# KiCad board panel_4_3.kicad_pcb (continued)
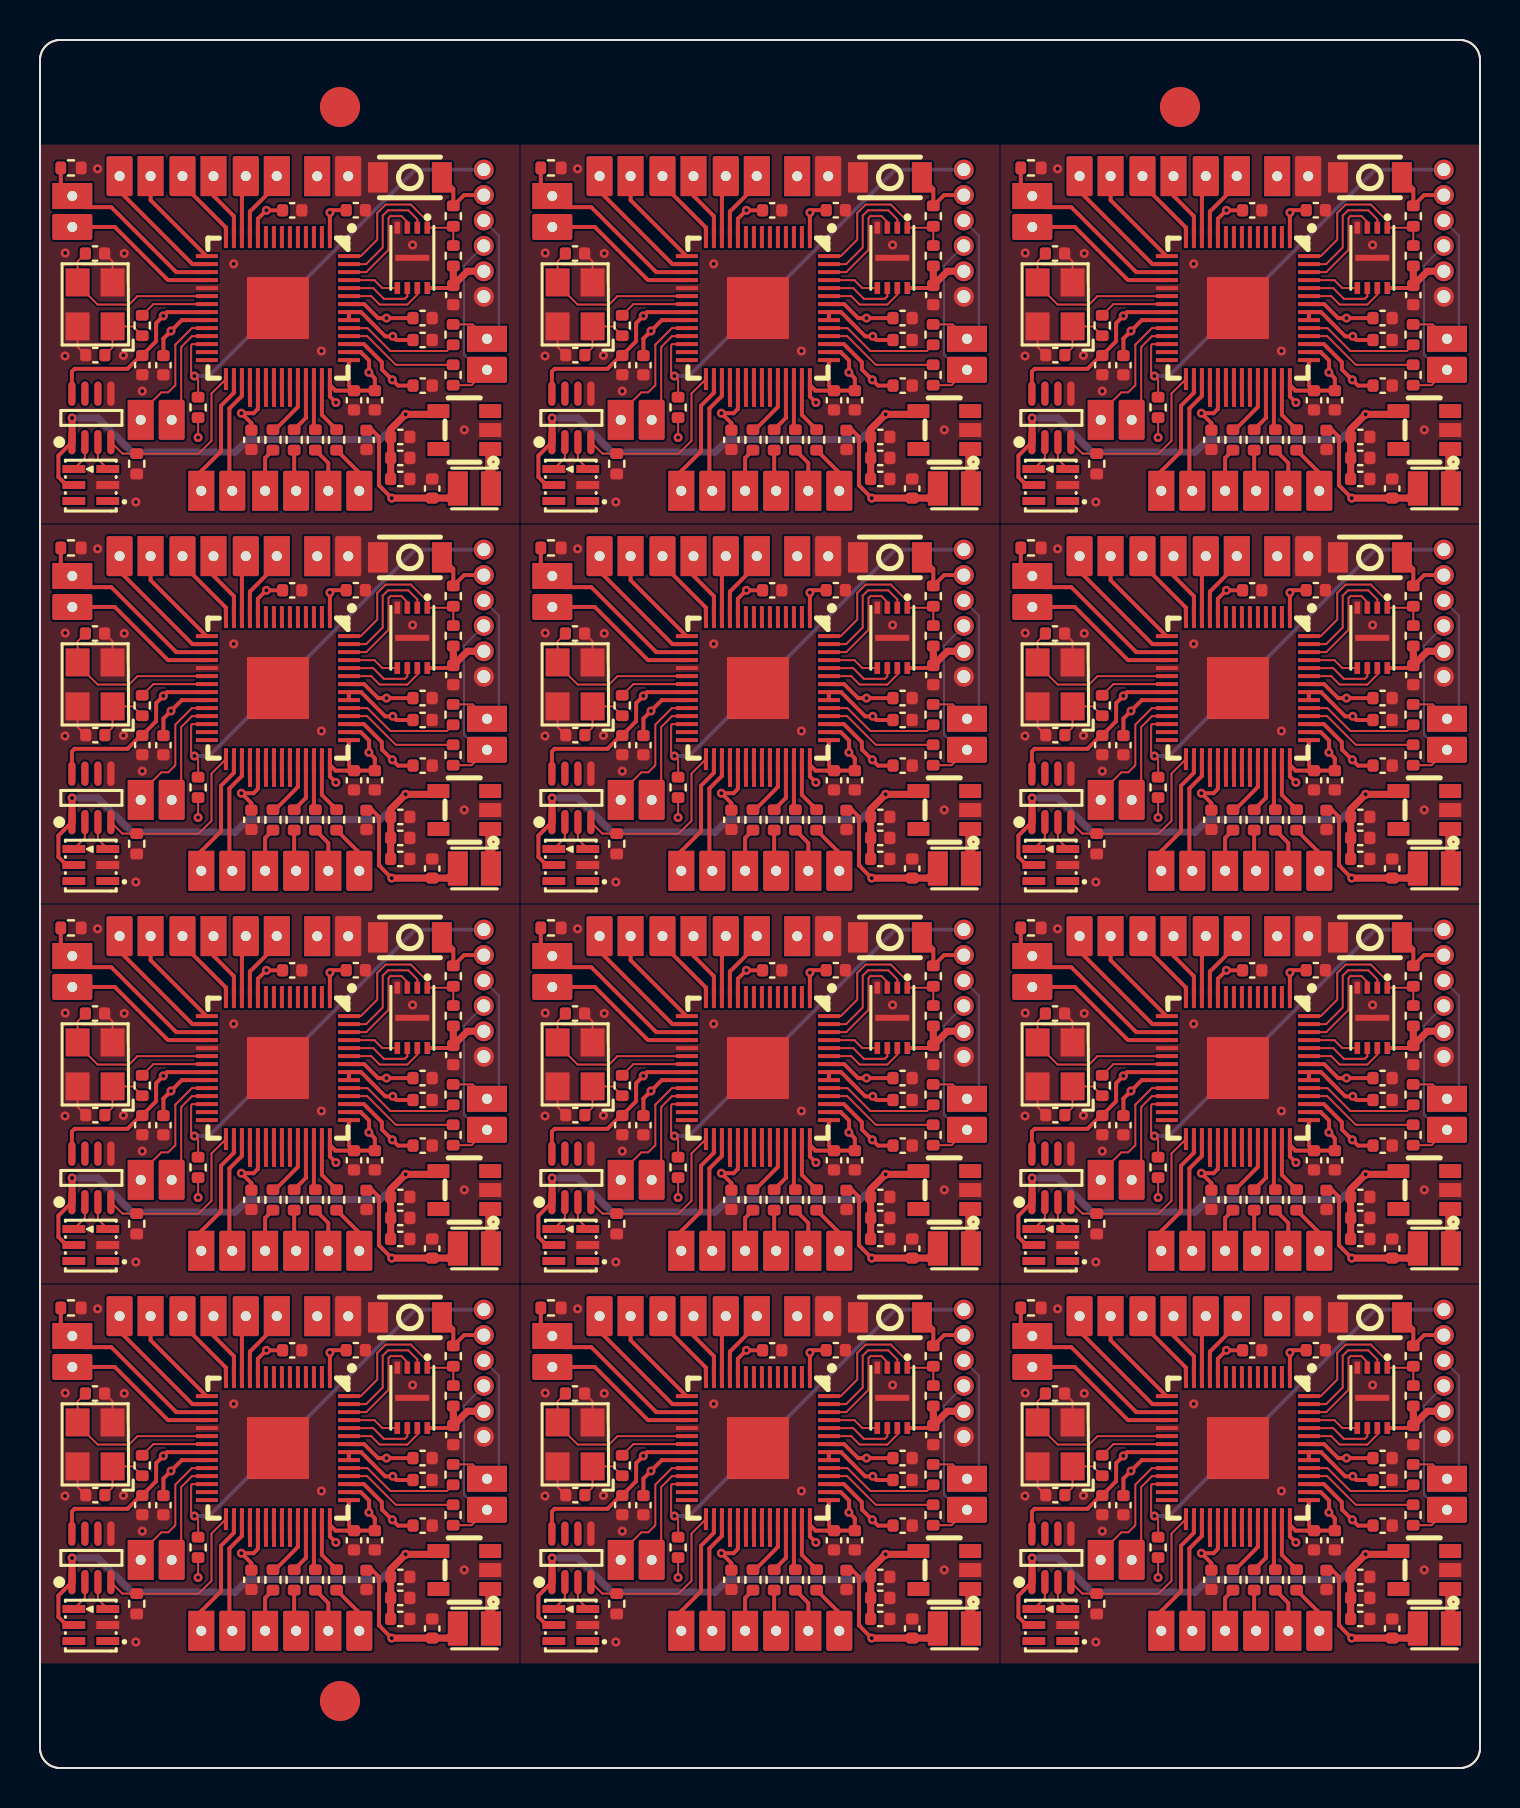
[diagram p0: board, top side]
## Routing (per net, layer and track width the routed paths; a pad name or vN(x,y) marks a point on that pad's centre or on a via; arc(x,y) is an arc through that point) (continued)
  Bottom w0.2: J8#4.1 42.77,41.92 32.45,31.6 v1(31.72,31.6)
Board_7-XIN: length 8.7
  Top w0.1: C3#12.1 25.88,37.34 X1#2.3 ; 25.88,36.18 26.88,35.18 28.46,35.18 28.88,35.59 U1#8.20
Board_7-XOUT: length 3.5
  Top w0.1: U1#8.21 29.67,35.2 R1#7.2
Board_8-+1V1: length 25.7
  Top w0.2: C5.1 65.9,31.12 65.62,31.41 v1(65.62,31.41) 65.61,31.41 65.09,31.93 65.09,32.29 64.19,33.2 63.44,33.2 ; U1#5.23 55.09,34.4 v1(54.55,33.85) 54.17,33.47 C4#11.1 ; 63.44,35.2 64.21,35.2 64.91,34.5 v1(65.32,34.5) C2#3.1
  In1.Cu w0.358: v1(54.55,33.85) 55.19,34.5 v1(65.32,34.5) 64.98,34.15 64.98,32.79 65.62,32.15 v1(65.62,31.41)
Board_8-+3V3: length 42.3
  Top w0.1: v1(55.91,28.53) R2#6.1
  Top w0.2: C9#3.1 63.44,31.12 63.44,32.4 ; 53.04,32.62 52.38,31.96 49.73,31.96 49.59,31.83 U3.8 ; 63.44,32.8 64.04,32.8 64.46,32.38 64.46,31.79 v1(64.44,31.78) 64.74,31.48 64.74,30.87 62.78,30.87 62.5,31.16 ; C8#6.1 64.62,28.89 64.95,28.56 64.95,26.13 v1(65.59,25.5) ; 63.44,34.4 63.44,34.8 64.05,34.8 65.26,33.59 v1(65.64,33.59) 65.82,33.4 C10#12.1 ; C12#6.1 v1(59.32,39.89) 58.9,39.46 U1#5.10 ; U1#5.42 62.5,30.58 v1(62.79,30.28) ; U1#5.22 54.35,34.8 v1(54.16,34.61) 53.81,34.25 53.81,33.34 53.12,32.65 ; C11#2.1 62.62,39.89 v1(62.5,39.77) U1#5.1 ; U1#5.33 58.9,29.96 58.68,29.74 v1(58.07,29.74) 58.57,29.24 C7.1 ; 68.54,36 U2#4.8
  Top w0.358: J8#5.5 69.38,36.84 68.66,36.12 R6#9.1 ; v1(65.59,25.5) C15.1 68.41,25.5 L1#9.1
Board_8-+5V: length 27.2
  Top w0.2: U3.1 48.92,27.62 48.92,26.55 49.32,26.15
  Top w0.358: U3.1 49.6,28.3 v1(49.6,29.5) ; 67.93,29.69 v1(66.28,29.69) 65.53,28.94 C16.1 C17#3.1 C18#6.1
  Bottom w0.358: v1(49.6,29.5) 50.9,29.5 52.6,27.8 57.75,27.8 58.38,28.43 65.02,28.43 v1(66.28,29.69)
Board_8-BOOT: length 3.4
  Top w0.2: J8#5.2 69.21,40.65 R5#6.1 68.66,40.96 SW1#10.1
Board_8-D+: length 7.6
  Top w0.1: R3.2 69.63,34.18 J5#9.1
  Bottom w0.1: 70.94,34.05 70.94,38.63 J8#5.3
Board_8-D-: length 8.9
  Top w0.1: J5#9.2 69.58,31.14 R4#7.2
  Bottom w0.1: J8#5.4 69.2,37.12 69.2,32.66 69.95,31.91
Board_8-DBG_CLK: length 6.6
  Top w0.1: J7#6.1 53.03,29.76 54.06,30.79 54.41,30.79 54.76,31.14 54.76,33.17 55.59,34 U1#5.24
Board_8-DBG_DAT: length 5.4
  Top w0.1: U1#5.25 55.6,33.59 55.06,33.05 55.06,29.88 J7#6.2
Board_8-GND: length 3.2
  Top w0.1: C3#3.2 51.63,37.33 X1#10.2 ; C1#7.1 49.88,33.05 X1#10.4
  vias: v1(49.26,37.75) v1(49.25,32.6) v1(50.88,41.96) v1(52.21,37.73) v1(52.17,32.63) v1(52.79,25.3) v1(53.12,30.84) v1(57.69,37.21) v1(62.07,32.85) v1(66.63,38.15) v1(69.21,28.91)
Board_8-LED_CLK_5V: length 1.5
  Top w0.1: LED1#8.4 50.25,27.5 50.25,28.23
Board_8-LED_DATA_5V: length 1.5
  Top w0.1: LED1#8.3 50.9,27.44 50.9,28.23
Board_8-LED_EN: length 8.9
  Top w0.1: U3.4 52.12,27.72 55.94,27.72 56.57,28.36 56.57,30.73 U1#5.29
Board_8-Net-(U1-GPIO26_ADC0): length 3.1
  Top w0.2: U1#5.38 60.9,30.06 59.75,28.92 R8#11.1
Board_8-Net-(U1-GPIO27_ADC1): length 2.8
  Top w0.2: U1#5.39 61.29,29.5 R9#12.1
Board_8-Net-(U1-GPIO28_ADC2): length 2.6
  Top w0.2: U1#5.40 61.69,28.99 R10#7.1
Board_8-Net-(U1-GPIO29_ADC3): length 2.8
  Top w0.2: R11#3.1 62.09,29.65 U1#5.41
Board_8-Net-(U1-USB_DM): length 5.8
  Top w0.1: 63.44,33.59 64.36,33.59 65.79,32.16 R4#7.1
Board_8-Net-(U1-USB_DP): length 5.8
  Top w0.1: R3.1 68.35,32.85 65.52,32.85 64.37,34 63.44,34
Board_8-Net-(U4-SW): length 1.8
  Top w0.5: 70.51,27.78 70.51,26.01
Board_8-Net-(X1-OSC1): length 3.3
  Top w0.1: 53.11,33.62 52.65,34.08 X1#10.1 51.63,33.03 C1#7.2
Board_8-NS_8: length 3.6
  Top w0.2: J10#9.1 59.84,41.17 58.5,39.82 U1#5.11
Board_8-NS_9: length 3.1
  Top w0.2: J10#9.2 58.09,41.4 U1#5.12
Board_8-NS_10: length 3.5
  Top w0.2: U1#5.13 57.69,39.59 56.68,40.61 J9#5.1
Board_8-NS_11: length 3.5
  Top w0.2: U1#5.14 57.29,39.02 55.13,41.18
Board_8-NS_19: length 6.3
  Top w0.2: U1#5.30 57.69,30.76 57.05,30.12 57.05,27.84 56.06,26.85 J11#5.1
Board_8-NS_20: length 5.9
  Top w0.2: J11#5.2 57.47,26.01 57.47,29.98 58.09,30.6 U1#5.31
Board_8-NS_CLK: length 2.1
  Top w0.2: J3#7.2 60.71,25.96 60.71,27.9
Board_8-NS_CMD: length 2.3
  Top w0.2: J4#9.1 62.41,27.25 61.77,27.9
Board_8-NS_CPU: length 7.8
  Top w0.2: U1#5.18 54.4,36.4 51.74,39.05 J2#5.2
Board_8-NS_CPU_PD: length 9.9
  Top w0.2: U1#5.17 54.81,36.8 51.56,40.05 50.17,40.05 J2#5.1 49.04,41.18 R12#3.1
Board_8-NS_D0: length 2.5
  Top w0.2: 62.83,27.9 63.97,26.76 J4#9.2
Board_8-NS_RST: length 2.2
  Top w0.2: 59.65,27.9 59.25,27.5 J3#7.1
Board_8-NS_SCL: length 5.9
  Top w0.2: U1#5.16 55.62,37.2 51.98,40.83
Board_8-NS_SDA: length 5.2
  Top w0.2: 56.33,37.59 53.53,40.4 J6#3.1
Board_8-PAD_21: length 1
  Top w0.2: U1#5.32 58.5,30.41
Board_8-PAD_22: length 1
  Top w0.2: U1#5.34 59.29,30.41
Board_8-PAD_23: length 1
  Top w0.2: U1#5.35 59.69,30.41
Board_8-PAD_24: length 1
  Top w0.2: U1#5.36 60.09,30.41
Board_8-PAD_25: length 1
  Top w0.2: U1#5.37 60.5,30.41
Board_8-QSPI_CS: length 8.6
  Top w0.1: 63.44,37.59 64.03,37.59 64.86,38.42 64.86,39.75 65.28,40.18 66.54,40.18 67.37,39.35 U2#4.1 68.66,39.01 R6#9.2
Board_8-QSPI_SCK: length 3.6
  Top w0.1: U2#4.6 66.37,35.58 66.25,35.46 65.19,35.46 64.66,36 63.44,36
Board_8-QSPI_SD0: length 2.6
  Top w0.1: U2#4.5 65.11,36 64.72,36.4 63.44,36.4
Board_8-QSPI_SD1: length 6.1
  Top w0.1: 63.44,37.2 64.3,37.2 65.13,38.03 65.13,39.61 65.41,39.89 66.41,39.89 66.87,39.43 U2#4.2
Board_8-QSPI_SD2: length 5.4
  Top w0.1: U2#4.3 66.37,39.3 66.07,39.59 65.53,39.59 65.43,39.49 65.43,37.91 64.31,36.8 63.44,36.8
Board_8-QSPI_SD3: length 4.1
  Top w0.1: 63.44,35.59 64.56,35.59 64.98,35.17 66.37,35.17 66.87,35.67 U2#4.7
Board_8-RST: length 22.3
  Top w0.1: U1#5.26 55.62,33.2 55.56,33.14 55.56,31.77 v1(55.72,31.6) 55.91,31.42 R2#6.2
  Bottom w0.2: J8#5.1 66.77,41.92 56.45,31.6 v1(55.72,31.6)
Board_8-XIN: length 8.7
  Top w0.1: U1#5.20 52.88,35.59 52.46,35.18 50.88,35.18 49.88,36.18 ; C3#3.1 49.88,37.34 X1#10.3
Board_8-XOUT: length 3.5
  Top w0.1: R1.2 53.67,35.2 U1#5.21
Board_9-+1V1: length 25.7
  Top w0.2: U1#6.23 7.09,15.4 v1(6.55,14.85) 6.17,14.47 C4#2.1 ; C2#11.1 v1(17.32,15.5) 16.91,15.5 16.21,16.2 U1#6.50 ; C5#11.1 17.9,12.12 17.62,12.41 v1(17.62,12.41) 17.61,12.41 17.09,12.93 17.09,13.29 16.19,14.2 U1#6.45
  In1.Cu w0.358: v1(17.62,12.41) 17.62,13.15 16.98,13.79 16.98,15.15 v1(17.32,15.5) 7.19,15.5 v1(6.55,14.85)
Board_9-+3V3: length 42.3
  Top w0.1: v1(7.91,9.53) R2#3.1
  Top w0.2: U1#6.48 U1#6.49 16.05,15.8 17.26,14.59 v1(17.64,14.59) 17.82,14.4 C10.1 ; C8#8.1 16.62,9.89 16.95,9.56 16.95,7.13 v1(17.59,6.5) ; C9.1 15.44,12.12 U1#6.43 ; 14.5,12.16 14.78,11.87 16.74,11.87 16.74,12.48 v1(16.44,12.78) 16.46,12.79 16.46,13.38 16.04,13.8 U1#6.44 ; 14.5,12.45 14.5,11.58 v1(14.8,11.28) ; U1#6.22 6.36,15.8 v1(6.17,15.61) 5.81,15.25 5.81,14.34 5.11,13.65 ; C11#8.1 14.61,20.89 v1(14.5,20.77) 14.5,19.55 ; 20.54,17 U2#11.8 ; U3#2.8 1.59,12.83 1.73,12.96 4.38,12.96 5.04,13.62 ; U1#6.10 10.89,20.46 v1(11.32,20.89) C12#9.1 ; U1#6.33 10.89,10.96 10.68,10.74 v1(10.07,10.74) 10.57,10.24 C7#8.1
  Top w0.358: L1#11.1 20.41,6.5 C15#7.1 v1(17.59,6.5) ; J8#12.5 21.38,17.84 20.66,17.12 R6#3.1
Board_9-+5V: length 27.2
  Top w0.2: U3#2.1 0.92,8.62 0.92,7.55 1.32,7.15
  Top w0.358: 19.93,10.69 v1(18.28,10.69) 17.53,9.94 C16#6.1 C17#5.1 C18#9.1 ; v1(1.61,10.5) 1.61,9.3 U3#2.1
  Bottom w0.358: v1(1.61,10.5) 2.89,10.5 4.6,8.8 9.75,8.8 10.39,9.43 17.02,9.43 v1(18.28,10.69)
Board_9-BOOT: length 3.4
  Top w0.2: J8#12.2 21.21,21.65 R5.1 20.66,21.96 SW1#2.1
Board_9-D+: length 7.6
  Top w0.1: R3#6.2 21.63,15.18 J5.1
  Bottom w0.1: 22.94,15.05 22.94,19.63 J8#12.3
Board_9-D-: length 8.9
  Top w0.1: R4#6.2 21.58,12.14 J5.2
  Bottom w0.1: 21.95,12.91 21.2,13.66 21.2,18.12 J8#12.4
Board_9-DBG_CLK: length 6.6
  Top w0.1: J7#2.1 5.03,10.76 6.06,11.79 6.41,11.79 6.77,12.14 6.77,14.17 7.59,15 U1#6.24
Board_9-DBG_DAT: length 5.4
  Top w0.1: J7#2.2 7.06,10.88 7.06,14.05 7.6,14.59 U1#6.25
Board_9-GND: length 3.2
  Top w0.1: X1#12.4 1.88,14.05 C1#9.1 ; C3#5.2 3.63,18.33 X1#12.2
  vias: v1(1.26,18.75) v1(1.25,13.6) v1(2.88,22.96) v1(4.21,18.73) v1(4.17,13.63) v1(4.8,6.3) v1(5.11,11.84) v1(9.69,18.21) v1(14.07,13.85) v1(18.63,19.15) v1(21.21,9.91)
Board_9-LED_CLK_5V: length 1.5
  Top w0.1: 2.25,9.23 2.25,8.5 LED1#6.4
Board_9-LED_DATA_5V: length 1.5
  Top w0.1: LED1#6.3 2.89,8.44 2.89,9.23
Board_9-LED_EN: length 8.9
  Top w0.1: U3#2.4 4.12,8.72 7.94,8.72 8.58,9.36 8.58,11.73 U1#6.29
Board_9-Net-(U1-GPIO26_ADC0): length 3.1
  Top w0.2: U1#6.38 12.89,11.06 11.75,9.92 R8#9.1
Board_9-Net-(U1-GPIO27_ADC1): length 2.8
  Top w0.2: U1#6.39 13.3,10.5 R9#8.1
Board_9-Net-(U1-GPIO28_ADC2): length 2.6
  Top w0.2: U1#6.40 13.69,9.99 R10#5.1
Board_9-Net-(U1-GPIO29_ADC3): length 2.8
  Top w0.2: R11#9.1 14.09,10.65 U1#6.41
Board_9-Net-(U1-USB_DM): length 5.8
  Top w0.1: R4#6.1 17.79,13.16 16.36,14.59 U1#6.46
Board_9-Net-(U1-USB_DP): length 5.8
  Top w0.1: U1#6.47 16.37,15 17.52,13.85 20.35,13.85 R3#6.1
Board_9-Net-(U4-SW): length 1.8
  Top w0.5: 22.51,8.78 22.51,7.01
Board_9-Net-(X1-OSC1): length 3.3
  Top w0.1: 5.11,14.62 4.64,15.08 X1#12.1 3.63,14.03 C1#9.2
Board_9-NS_8: length 3.6
  Top w0.2: J10#11.1 11.84,22.17 10.5,20.82 10.5,19.55
Board_9-NS_9: length 3.1
  Top w0.2: U1#6.12 10.09,22.4 J10#11.2
Board_9-NS_10: length 3.5
  Top w0.2: U1#6.13 9.69,20.59 8.68,21.61 J9.1
Board_9-NS_11: length 3.5
  Top w0.2: 7.13,22.18 9.3,20.02 U1#6.14
Board_9-NS_19: length 6.3
  Top w0.2: U1#6.30 9.69,11.76 9.05,11.12 9.05,8.84 8.06,7.85 J11.1
Board_9-NS_20: length 5.9
  Top w0.2: U1#6.31 10.09,11.6 9.47,10.98 9.47,7.01 J11.2
Board_9-NS_CLK: length 2.1
  Top w0.2: 12.71,8.9 12.71,6.96 J3#2.2
Board_9-NS_CMD: length 2.3
  Top w0.2: 13.77,8.9 14.42,8.25 J4#3.1
Board_9-NS_CPU: length 7.8
  Top w0.2: U1#6.18 6.39,17.4 3.74,20.05 J2#9.2
Board_9-NS_CPU_PD: length 9.9
  Top w0.2: R12#6.1 1.04,22.18 J2#9.1 2.17,21.05 3.56,21.05 6.81,17.8 U1#6.17
Board_9-NS_D0: length 2.5
  Top w0.2: J4#3.2 15.97,7.76 14.83,8.9
Board_9-NS_RST: length 2.2
  Top w0.2: 11.65,8.9 11.25,8.5 J3#2.1
Board_9-NS_SCL: length 5.9
  Top w0.2: 3.98,21.83 7.61,18.2 U1#6.16
Board_9-NS_SDA: length 5.2
  Top w0.2: J6#12.1 5.53,21.4 8.33,18.59
Board_9-PAD_21: length 1
  Top w0.2: 10.5,12.45 10.5,11.41
Board_9-PAD_22: length 1
  Top w0.2: U1#6.34 11.3,11.41
Board_9-PAD_23: length 1
  Top w0.2: U1#6.35 11.69,11.41
Board_9-PAD_24: length 1
  Top w0.2: U1#6.36 12.09,11.41
Board_9-PAD_25: length 1
  Top w0.2: 12.5,12.45 12.5,11.41
Board_9-QSPI_CS: length 8.6
  Top w0.1: R6#3.2 20.66,20.01 U2#11.1 19.37,20.35 18.54,21.18 17.28,21.18 16.86,20.75 16.86,19.42 16.03,18.59 U1#6.56
Board_9-QSPI_SCK: length 3.6
  Top w0.1: U1#6.52 16.66,17 17.19,16.46 18.25,16.46 18.37,16.58 U2#11.6
Board_9-QSPI_SD0: length 2.6
  Top w0.1: U2#11.5 17.11,17 16.72,17.4 U1#6.53
Board_9-QSPI_SD1: length 6.1
  Top w0.1: U1#6.55 16.3,18.2 17.13,19.03 17.13,20.61 17.41,20.89 18.41,20.89 18.87,20.43 U2#11.2
Board_9-QSPI_SD2: length 5.4
  Top w0.1: U2#11.3 18.37,20.3 18.07,20.59 17.53,20.59 17.43,20.49 17.43,18.91 16.31,17.8 U1#6.54
Board_9-QSPI_SD3: length 4.1
  Top w0.1: U2#11.7 18.87,16.67 18.37,16.17 16.98,16.17 16.56,16.59 U1#6.51
Board_9-RST: length 22.3
  Top w0.1: R2#3.2 7.91,12.42 v1(7.72,12.6) 7.56,12.77 7.56,14.14 7.61,14.2 U1#6.26
  Bottom w0.2: v1(7.72,12.6) 8.45,12.6 18.77,22.92 J8#12.1
Board_9-XIN: length 8.7
  Top w0.1: X1#12.3 1.88,18.34 C3#5.1 ; U1#6.20 4.88,16.59 4.45,16.18 2.88,16.18 1.88,17.18
Board_9-XOUT: length 3.5
  Top w0.1: U1#6.21 5.67,16.2 R1#4.2
Board_10-+1V1: length 25.7
  Top w0.2: 39.44,14.2 40.19,14.2 41.09,13.29 41.09,12.93 41.61,12.41 v1(41.62,12.41) 41.62,12.41 41.9,12.12 C5#4.1 ; C4#12.1 30.17,14.47 v1(30.55,14.85) 31.09,15.4 U1#4.23 ; 39.44,16.2 40.21,16.2 40.91,15.5 v1(41.32,15.5) C2#4.1
  In1.Cu w0.358: v1(30.55,14.85) 31.19,15.5 v1(41.32,15.5) 40.98,15.15 40.98,13.79 41.62,13.15 v1(41.62,12.41)
Board_10-+3V3: length 42.3
  Top w0.1: v1(31.91,9.53) R2#7.1
  Top w0.2: C10#8.1 41.82,14.4 v1(41.64,14.59) 41.26,14.59 40.05,15.8 39.44,15.8 39.44,15.4 ; 29.12,13.65 29.81,14.34 29.81,15.25 v1(30.16,15.61) 30.35,15.8 U1#4.22 ; U1#4.33 34.9,10.96 34.68,10.74 v1(34.07,10.74) 34.57,10.24 C7#9.1 ; 44.54,17 U2#5.8 ; C11#7.1 38.62,20.89 v1(38.5,20.77) U1#4.1 ; v1(41.59,6.5) 40.95,7.13 40.95,9.56 40.62,9.89 C8#12.1 ; 29.04,13.62 28.38,12.96 25.73,12.96 25.59,12.83 U3#10.8 ; 39.44,13.8 40.04,13.8 40.46,13.38 40.46,12.79 v1(40.44,12.78) 40.74,12.48 40.74,11.87 38.78,11.87 38.5,12.16 ; U1#4.42 38.5,11.58 v1(38.79,11.28) ; 39.44,13.4 39.44,12.12 C9#5.1 ; C12#10.1 v1(35.32,20.89) 34.9,20.46 U1#4.10
  Top w0.358: J8#3.5 45.38,17.84 44.66,17.12 R6#10.1 ; v1(41.59,6.5) C15#9.1 44.41,6.5 L1#7.1
Board_10-+5V: length 27.2
  Top w0.2: U3#10.1 24.92,8.62 24.92,7.55 25.32,7.15
  Top w0.358: v1(25.6,10.5) 25.6,9.3 U3#10.1 ; 43.93,10.69 v1(42.28,10.69) 41.53,9.94 C16#4.1 C17.1 C18#10.1
  Bottom w0.358: v1(25.6,10.5) 26.9,10.5 28.6,8.8 33.75,8.8 34.38,9.43 41.02,9.43 v1(42.28,10.69)
Board_10-BOOT: length 3.4
  Top w0.2: J8#3.2 45.21,21.65 R5#12.1 44.66,21.96 SW1.1
Board_10-D+: length 7.6
  Top w0.1: J5#10.1 45.63,15.18 R3#5.2
  Bottom w0.1: 46.94,15.05 46.94,19.63 J8#3.3
Board_10-D-: length 8.9
  Top w0.1: R4#3.2 45.58,12.14 J5#10.2
  Bottom w0.1: J8#3.4 45.2,18.12 45.2,13.66 45.95,12.91
Board_10-DBG_CLK: length 6.6
  Top w0.1: J7#3.1 29.03,10.76 30.06,11.79 30.41,11.79 30.76,12.14 30.76,14.17 31.59,15 U1#4.24
Board_10-DBG_DAT: length 5.4
  Top w0.1: J7#3.2 31.06,10.88 31.06,14.05 31.6,14.59 U1#4.25
Board_10-GND: length 3.2
  Top w0.1: C3#10.2 27.63,18.33 X1#8.2 ; X1#8.4 25.88,14.05 C1#11.1
  vias: v1(25.26,18.75) v1(25.25,13.6) v1(26.88,22.96) v1(28.21,18.73) v1(28.17,13.63) v1(28.79,6.3) v1(29.12,11.84) v1(33.69,18.21) v1(38.07,13.85) v1(42.63,19.15) v1(45.21,9.91)
Board_10-LED_CLK_5V: length 1.5
  Top w0.1: LED1#7.4 26.25,8.5 26.25,9.23
Board_10-LED_DATA_5V: length 1.5
  Top w0.1: 26.9,9.23 26.9,8.44 LED1#7.3
Board_10-LED_EN: length 8.9
  Top w0.1: U1#4.29 32.57,11.73 32.57,9.36 31.94,8.72 28.12,8.72 U3#10.4
Board_10-Net-(U1-GPIO26_ADC0): length 3.1
  Top w0.2: R8#4.1 35.75,9.92 36.9,11.06 U1#4.38
Board_10-Net-(U1-GPIO27_ADC1): length 2.8
  Top w0.2: U1#4.39 37.29,10.5 R9#9.1
Board_10-Net-(U1-GPIO28_ADC2): length 2.6
  Top w0.2: U1#4.40 37.69,9.99 R10#9.1
Board_10-Net-(U1-GPIO29_ADC3): length 2.8
  Top w0.2: R11#4.1 38.09,10.65 U1#4.41
Board_10-Net-(U1-USB_DM): length 5.8
  Top w0.1: 39.44,14.59 40.36,14.59 41.79,13.16 R4#3.1
Board_10-Net-(U1-USB_DP): length 5.8
  Top w0.1: 39.44,15 40.37,15 41.52,13.85 44.35,13.85 R3#5.1
Board_10-Net-(U4-SW): length 1.8
  Top w0.5: 46.51,8.78 46.51,7.01
Board_10-Net-(X1-OSC1): length 3.3
  Top w0.1: 29.11,14.62 28.65,15.08 X1#8.1 27.63,14.03 C1#11.2
Board_10-NS_8: length 3.6
  Top w0.2: J10#3.1 35.84,22.17 34.5,20.82 U1#4.11
Board_10-NS_9: length 3.1
  Top w0.2: U1#4.12 34.09,22.4 J10#3.2
Board_10-NS_10: length 3.5
  Top w0.2: U1#4.13 33.69,20.59 32.68,21.61 J9#11.1
Board_10-NS_11: length 3.5
  Top w0.2: U1#4.14 33.29,20.02 31.13,22.18
Board_10-NS_19: length 6.3
  Top w0.2: U1#4.30 33.69,11.76 33.05,11.12 33.05,8.84 32.06,7.85 J11#6.1
Board_10-NS_20: length 5.9
  Top w0.2: J11#6.2 33.47,7.01 33.47,10.98 34.09,11.6 U1#4.31
Board_10-NS_CLK: length 2.1
  Top w0.2: 36.71,8.9 36.71,6.96 J3#4.2
Board_10-NS_CMD: length 2.3
  Top w0.2: 37.77,8.9 38.41,8.25 J4#2.1
Board_10-NS_CPU: length 7.8
  Top w0.2: U1#4.18 30.4,17.4 27.74,20.05 J2#6.2
Board_10-NS_CPU_PD: length 9.9
  Top w0.2: R12#12.1 25.04,22.18 J2#6.1 26.17,21.05 27.56,21.05 30.81,17.8 U1#4.17
Board_10-NS_D0: length 2.5
  Top w0.2: 38.83,8.9 39.97,7.76 J4#2.2
Board_10-NS_RST: length 2.2
  Top w0.2: J3#4.1 35.25,8.5 35.65,8.9
Board_10-NS_SCL: length 5.9
  Top w0.2: 27.98,21.83 31.62,18.2 U1#4.16
Board_10-NS_SDA: length 5.2
  Top w0.2: 32.33,18.59 29.53,21.4 J6#10.1
Board_10-PAD_21: length 1
  Top w0.2: U1#4.32 34.5,11.41
Board_10-PAD_22: length 1
  Top w0.2: U1#4.34 35.29,11.41
Board_10-PAD_23: length 1
  Top w0.2: U1#4.35 35.69,11.41
Board_10-PAD_24: length 1
  Top w0.2: U1#4.36 36.09,11.41
Board_10-PAD_25: length 1
  Top w0.2: U1#4.37 36.5,11.41
Board_10-QSPI_CS: length 8.6
  Top w0.1: 39.44,18.59 40.03,18.59 40.86,19.42 40.86,20.75 41.28,21.18 42.54,21.18 43.37,20.35 U2#5.1 44.66,20.01 R6#10.2
Board_10-QSPI_SCK: length 3.6
  Top w0.1: U2#5.6 42.37,16.58 42.25,16.46 41.19,16.46 40.66,17 39.44,17
Board_10-QSPI_SD0: length 2.6
  Top w0.1: 39.44,17.4 40.72,17.4 41.11,17 U2#5.5
Board_10-QSPI_SD1: length 6.1
  Top w0.1: 39.44,18.2 40.3,18.2 41.13,19.03 41.13,20.61 41.41,20.89 42.41,20.89 42.87,20.43 U2#5.2
Board_10-QSPI_SD2: length 5.4
  Top w0.1: U2#5.3 42.37,20.3 42.07,20.59 41.53,20.59 41.43,20.49 41.43,18.91 40.31,17.8 39.44,17.8
Board_10-QSPI_SD3: length 4.1
  Top w0.1: 39.44,16.59 40.56,16.59 40.98,16.17 42.37,16.17 42.87,16.67 U2#5.7
Board_10-RST: length 22.3
  Top w0.1: U1#4.26 31.62,14.2 31.56,14.14 31.56,12.77 v1(31.72,12.6) 31.91,12.42 R2#7.2
  Bottom w0.2: v1(31.72,12.6) 32.45,12.6 42.77,22.92 J8#3.1
Board_10-XIN: length 8.7
  Top w0.1: X1#8.3 25.88,18.34 C3#10.1 ; U1#4.20 28.88,16.59 28.46,16.18 26.88,16.18 25.88,17.18
Board_10-XOUT: length 3.5
  Top w0.1: R1#8.2 29.67,16.2 U1#4.21
Board_11-+1V1: length 25.7
  Top w0.2: U1#12.23 55.09,15.4 v1(54.55,14.85) 54.17,14.47 C4#9.1 ; 63.44,16.2 64.21,16.2 64.91,15.5 v1(65.32,15.5) C2#10.1 ; C5#8.1 65.9,12.12 65.62,12.41 v1(65.62,12.41) 65.61,12.41 65.09,12.93 65.09,13.29 64.19,14.2 63.44,14.2
  In1.Cu w0.358: v1(54.55,14.85) 55.19,15.5 v1(65.32,15.5) 64.98,15.15 64.98,13.79 65.62,13.15 v1(65.62,12.41)
Board_11-+3V3: length 42.3
  Top w0.1: v1(55.91,9.53) R2#12.1
  Top w0.2: C7#4.1 58.57,10.24 v1(58.07,10.74) 58.68,10.74 58.9,10.96 U1#12.33 ; 63.44,13.8 64.04,13.8 64.46,13.38 64.46,12.79 v1(64.44,12.78) 64.74,12.48 64.74,11.87 62.78,11.87 62.5,12.16 ; U3#5.8 49.59,12.83 49.73,12.96 52.38,12.96 53.04,13.62 ; U1#12.1 v1(62.5,20.77) 62.62,20.89 C11#12.1 ; 53.12,13.65 53.81,14.34 53.81,15.25 v1(54.16,15.61) 54.35,15.8 U1#12.22 ; C12#11.1 v1(59.32,20.89) 58.9,20.46 U1#12.10 ; C10#10.1 65.82,14.4 v1(65.64,14.59) 65.26,14.59 64.05,15.8 63.44,15.8 63.44,15.4 ; v1(62.79,11.28) 62.5,11.58 U1#12.42 ; 63.44,13.4 63.44,12.12 C9#12.1 ; C8#3.1 64.62,9.89 64.95,9.56 64.95,7.13 v1(65.59,6.5) ; 68.54,17 U2#3.8
  Top w0.358: J8#2.5 69.38,17.84 68.66,17.12 R6#11.1 ; v1(65.59,6.5) C15#11.1 68.41,6.5 L1#4.1
Board_11-+5V: length 27.2
  Top w0.2: 49.32,7.15 48.92,7.55 48.92,8.62 U3#5.1
  Top w0.358: 67.93,10.69 v1(66.28,10.69) 65.53,9.94 C16#2.1 C17#11.1 C18#3.1 ; U3#5.1 49.6,9.3 v1(49.6,10.5)
  Bottom w0.358: v1(66.28,10.69) 65.02,9.43 58.38,9.43 57.75,8.8 52.6,8.8 50.9,10.5 v1(49.6,10.5)
Board_11-BOOT: length 3.4
  Top w0.2: SW1#7.1 68.66,21.96 R5#10.1 69.21,21.65 J8#2.2
Board_11-D+: length 7.6
  Top w0.1: J5#8.1 69.63,15.18 R3#4.2
  Bottom w0.1: J8#2.3 70.94,19.63 70.94,15.05
Board_11-D-: length 8.9
  Top w0.1: J5#8.2 69.58,12.14 R4#5.2
  Bottom w0.1: 69.95,12.91 69.2,13.66 69.2,18.12 J8#2.4
Board_11-DBG_CLK: length 6.6
  Top w0.1: U1#12.24 55.59,15 54.76,14.17 54.76,12.14 54.41,11.79 54.06,11.79 53.03,10.76 J7#7.1
Board_11-DBG_DAT: length 5.4
  Top w0.1: U1#12.25 55.6,14.59 55.06,14.05 55.06,10.88 J7#7.2
Board_11-GND: length 3.2
  Top w0.1: X1#6.4 49.88,14.05 C1#10.1 ; X1#6.2 51.63,18.33 C3#4.2
  vias: v1(49.26,18.75) v1(49.25,13.6) v1(50.88,22.96) v1(52.21,18.73) v1(52.17,13.63) v1(52.79,6.3) v1(53.12,11.84) v1(57.69,18.21) v1(62.07,13.85) v1(66.63,19.15) v1(69.21,9.91)
Board_11-LED_CLK_5V: length 1.5
  Top w0.1: 50.25,9.23 50.25,8.5 LED1.4
Board_11-LED_DATA_5V: length 1.5
  Top w0.1: LED1.3 50.9,8.44 50.9,9.23
Board_11-LED_EN: length 8.9
  Top w0.1: U1#12.29 56.57,11.73 56.57,9.36 55.94,8.72 52.12,8.72 U3#5.4
Board_11-Net-(U1-GPIO26_ADC0): length 3.1
  Top w0.2: R8#2.1 59.75,9.92 60.9,11.06 U1#12.38
Board_11-Net-(U1-GPIO27_ADC1): length 2.8
  Top w0.2: R9.1 61.29,10.5 U1#12.39
Board_11-Net-(U1-GPIO28_ADC2): length 2.6
  Top w0.2: U1#12.40 61.69,9.99 R10#10.1
Board_11-Net-(U1-GPIO29_ADC3): length 2.8
  Top w0.2: U1#12.41 62.09,10.65 R11#6.1
Board_11-Net-(U1-USB_DM): length 5.8
  Top w0.1: R4#5.1 65.79,13.16 64.36,14.59 63.44,14.59
Board_11-Net-(U1-USB_DP): length 5.8
  Top w0.1: R3#4.1 68.35,13.85 65.52,13.85 64.37,15 63.44,15
Board_11-Net-(U4-SW): length 1.8
  Top w0.5: 70.51,8.78 70.51,7.01
Board_11-Net-(X1-OSC1): length 3.3
  Top w0.1: C1#10.2 51.63,14.03 X1#6.1 52.65,15.08 53.11,14.62
Board_11-NS_8: length 3.6
  Top w0.2: J10#12.1 59.84,22.17 58.5,20.82 U1#12.11
Board_11-NS_9: length 3.1
  Top w0.2: U1#12.12 58.09,22.4 J10#12.2
Board_11-NS_10: length 3.5
  Top w0.2: J9#4.1 56.68,21.61 57.69,20.59 U1#12.13
Board_11-NS_11: length 3.5
  Top w0.2: U1#12.14 57.29,20.02 55.13,22.18
Board_11-NS_19: length 6.3
  Top w0.2: U1#12.30 57.69,11.76 57.05,11.12 57.05,8.84 56.06,7.85 J11#3.1
Board_11-NS_20: length 5.9
  Top w0.2: J11#3.2 57.47,7.01 57.47,10.98 58.09,11.6 U1#12.31
Board_11-NS_CLK: length 2.1
  Top w0.2: 60.71,8.9 60.71,6.96 J3#8.2
Board_11-NS_CMD: length 2.3
  Top w0.2: J4#11.1 62.41,8.25 61.77,8.9
Board_11-NS_CPU: length 7.8
  Top w0.2: J2.2 51.74,20.05 54.4,17.4 U1#12.18
Board_11-NS_CPU_PD: length 9.9
  Top w0.2: R12#7.1 49.04,22.18 J2.1 50.17,21.05 51.56,21.05 54.81,17.8 U1#12.17
Board_11-NS_D0: length 2.5
  Top w0.2: J4#11.2 63.97,7.76 62.83,8.9
Board_11-NS_RST: length 2.2
  Top w0.2: J3#8.1 59.25,8.5 59.65,8.9
Board_11-NS_SCL: length 5.9
  Top w0.2: U1#12.16 55.62,18.2 51.98,21.83
Board_11-NS_SDA: length 5.2
  Top w0.2: J6#5.1 53.53,21.4 56.33,18.59
Board_11-PAD_21: length 1
  Top w0.2: U1#12.32 58.5,11.41
Board_11-PAD_22: length 1
  Top w0.2: U1#12.34 59.29,11.41
Board_11-PAD_23: length 1
  Top w0.2: U1#12.35 59.69,11.41
Board_11-PAD_24: length 1
  Top w0.2: U1#12.36 60.09,11.41
Board_11-PAD_25: length 1
  Top w0.2: U1#12.37 60.5,11.41
Board_11-QSPI_CS: length 8.6
  Top w0.1: 63.44,18.59 64.03,18.59 64.86,19.42 64.86,20.75 65.28,21.18 66.54,21.18 67.37,20.35 U2#3.1 68.66,20.01 R6#11.2
Board_11-QSPI_SCK: length 3.6
  Top w0.1: 63.44,17 64.66,17 65.19,16.46 66.25,16.46 66.37,16.58 U2#3.6
Board_11-QSPI_SD0: length 2.6
  Top w0.1: 63.44,17.4 64.72,17.4 65.11,17 U2#3.5
Board_11-QSPI_SD1: length 6.1
  Top w0.1: 63.44,18.2 64.3,18.2 65.13,19.03 65.13,20.61 65.41,20.89 66.41,20.89 66.87,20.43 U2#3.2
Board_11-QSPI_SD2: length 5.4
  Top w0.1: U2#3.3 66.37,20.3 66.07,20.59 65.53,20.59 65.43,20.49 65.43,18.91 64.31,17.8 63.44,17.8
Board_11-QSPI_SD3: length 4.1
  Top w0.1: 63.44,16.59 64.56,16.59 64.98,16.17 66.37,16.17 66.87,16.67 U2#3.7
Board_11-RST: length 22.3
  Top w0.1: U1#12.26 55.62,14.2 55.56,14.14 55.56,12.77 v1(55.72,12.6) 55.91,12.42 R2#12.2
  Bottom w0.2: v1(55.72,12.6) 56.45,12.6 66.77,22.92 J8#2.1
Board_11-XIN: length 8.7
  Top w0.1: U1#12.20 52.88,16.59 52.46,16.18 50.88,16.18 49.88,17.18 ; X1#6.3 49.88,18.34 C3#4.1
Board_11-XOUT: length 3.5
  Top w0.1: R1#10.2 53.67,16.2 U1#12.21

## Copper pours and planes (outline as drawn; the poured copper is in the pictures)
Board_0-+3V3 on In2.Cu: 23.46,62.75 0.51,62.75 0.5,80.7 23.46,80.7
Board_0-GND on Top: 23.97,62.23 0.03,62.23 0.03,81.17 23.97,81.17
Board_0-GND on Bottom: 23.46,62.75 0.51,62.75 0.5,80.7 23.46,80.7
Board_0-GND on In1.Cu: 23.97,62.23 0.03,62.23 0.03,81.17 23.96,81.17
Board_1-+3V3 on In2.Cu: 47.46,62.75 24.51,62.75 24.5,80.7 47.46,80.7
Board_1-GND on Top: 47.97,62.23 24.03,62.23 24.03,81.17 47.97,81.17
Board_1-GND on Bottom: 47.46,62.75 24.51,62.75 24.5,80.7 47.46,80.7
Board_1-GND on In1.Cu: 47.97,62.23 24.03,62.23 24.03,81.17 47.96,81.17
Board_2-+3V3 on In2.Cu: 71.46,62.75 48.51,62.75 48.5,80.7 71.46,80.7
Board_2-GND on Top: 71.97,62.23 48.03,62.23 48.03,81.17 71.97,81.17
Board_2-GND on Bottom: 71.46,62.75 48.51,62.75 48.5,80.7 71.46,80.7
Board_2-GND on In1.Cu: 71.97,62.23 48.03,62.23 48.03,81.17 71.96,81.17
Board_3-+3V3 on In2.Cu: 23.46,43.75 0.51,43.75 0.5,61.7 23.46,61.7
Board_3-GND on Top: 23.97,43.23 0.03,43.23 0.03,62.17 23.97,62.17
Board_3-GND on Bottom: 23.46,43.75 0.51,43.75 0.5,61.7 23.46,61.7
Board_3-GND on In1.Cu: 23.97,43.23 0.03,43.23 0.03,62.17 23.96,62.17
Board_4-+3V3 on In2.Cu: 47.46,43.75 24.51,43.75 24.5,61.7 47.46,61.7
Board_4-GND on Top: 47.97,43.23 24.03,43.23 24.03,62.17 47.97,62.17
Board_4-GND on Bottom: 47.46,43.75 24.51,43.75 24.5,61.7 47.46,61.7
Board_4-GND on In1.Cu: 47.97,43.23 24.03,43.23 24.03,62.17 47.96,62.17
Board_5-+3V3 on In2.Cu: 71.46,43.75 48.51,43.75 48.5,61.7 71.46,61.7
Board_5-GND on Top: 71.97,43.23 48.03,43.23 48.03,62.17 71.97,62.17
Board_5-GND on Bottom: 71.46,43.75 48.51,43.75 48.5,61.7 71.46,61.7
Board_5-GND on In1.Cu: 71.97,43.23 48.03,43.23 48.03,62.17 71.96,62.17
Board_6-+3V3 on In2.Cu: 23.46,24.75 0.51,24.75 0.5,42.7 23.46,42.7
Board_6-GND on Top: 23.97,24.23 0.03,24.23 0.03,43.17 23.97,43.17
Board_6-GND on Bottom: 23.46,24.75 0.51,24.75 0.5,42.7 23.46,42.7
Board_6-GND on In1.Cu: 23.97,24.23 0.03,24.23 0.03,43.17 23.96,43.17
Board_7-+3V3 on In2.Cu: 47.46,24.75 24.51,24.75 24.5,42.7 47.46,42.7
Board_7-GND on Top: 47.97,24.23 24.03,24.23 24.03,43.17 47.97,43.17
Board_7-GND on Bottom: 47.46,24.75 24.51,24.75 24.5,42.7 47.46,42.7
Board_7-GND on In1.Cu: 47.97,24.23 24.03,24.23 24.03,43.17 47.96,43.17
Board_8-+3V3 on In2.Cu: 71.46,24.75 48.51,24.75 48.5,42.7 71.46,42.7
Board_8-GND on Top: 71.97,24.23 48.03,24.23 48.03,43.17 71.97,43.17
Board_8-GND on Bottom: 71.46,24.75 48.51,24.75 48.5,42.7 71.46,42.7
Board_8-GND on In1.Cu: 71.97,24.23 48.03,24.23 48.03,43.17 71.96,43.17
Board_9-+3V3 on In2.Cu: 23.46,5.75 0.51,5.75 0.5,23.7 23.46,23.7
Board_9-GND on Top: 23.97,5.23 0.03,5.23 0.03,24.17 23.97,24.17
Board_9-GND on Bottom: 23.46,5.75 0.51,5.75 0.5,23.7 23.46,23.7
Board_9-GND on In1.Cu: 23.97,5.23 0.03,5.23 0.03,24.17 23.96,24.17
Board_10-+3V3 on In2.Cu: 47.46,5.75 24.51,5.75 24.5,23.7 47.46,23.7
Board_10-GND on Top: 47.97,5.23 24.03,5.23 24.03,24.17 47.97,24.17
Board_10-GND on Bottom: 47.46,5.75 24.51,5.75 24.5,23.7 47.46,23.7
Board_10-GND on In1.Cu: 47.97,5.23 24.03,5.23 24.03,24.17 47.96,24.17
Board_11-+3V3 on In2.Cu: 71.46,5.75 48.51,5.75 48.5,23.7 71.46,23.7
Board_11-GND on Top: 71.97,5.23 48.03,5.23 48.03,24.17 71.97,24.17
Board_11-GND on Bottom: 71.46,5.75 48.51,5.75 48.5,23.7 71.46,23.7
Board_11-GND on In1.Cu: 71.97,5.23 48.03,5.23 48.03,24.17 71.96,24.17

## Text on the board
B.Silkscreen: D+ | D- | CPU | SCL | SDA | DC | DD | 11 | 19 | 10 | 20 | 9 | RST | 8 | CLK | 3.3V | CMD | GND | D0
User.Comments: V-CUT
